# Altium PCB Acquisition-System_V1.0.PcbDoc (part 1 of 5)
Units mil, origin at the board's own origin, x right, y up, seen from the top; angles counter-clockwise.
Board outline 4370.08 x 5629.92 mil, 4 copper layers (Top Layer, Mid-Layer 1, Mid-Layer 2, Bottom Layer), stack 62.135 mil thick; 241 components, 167 nets, 1010 pads, 677 vias.
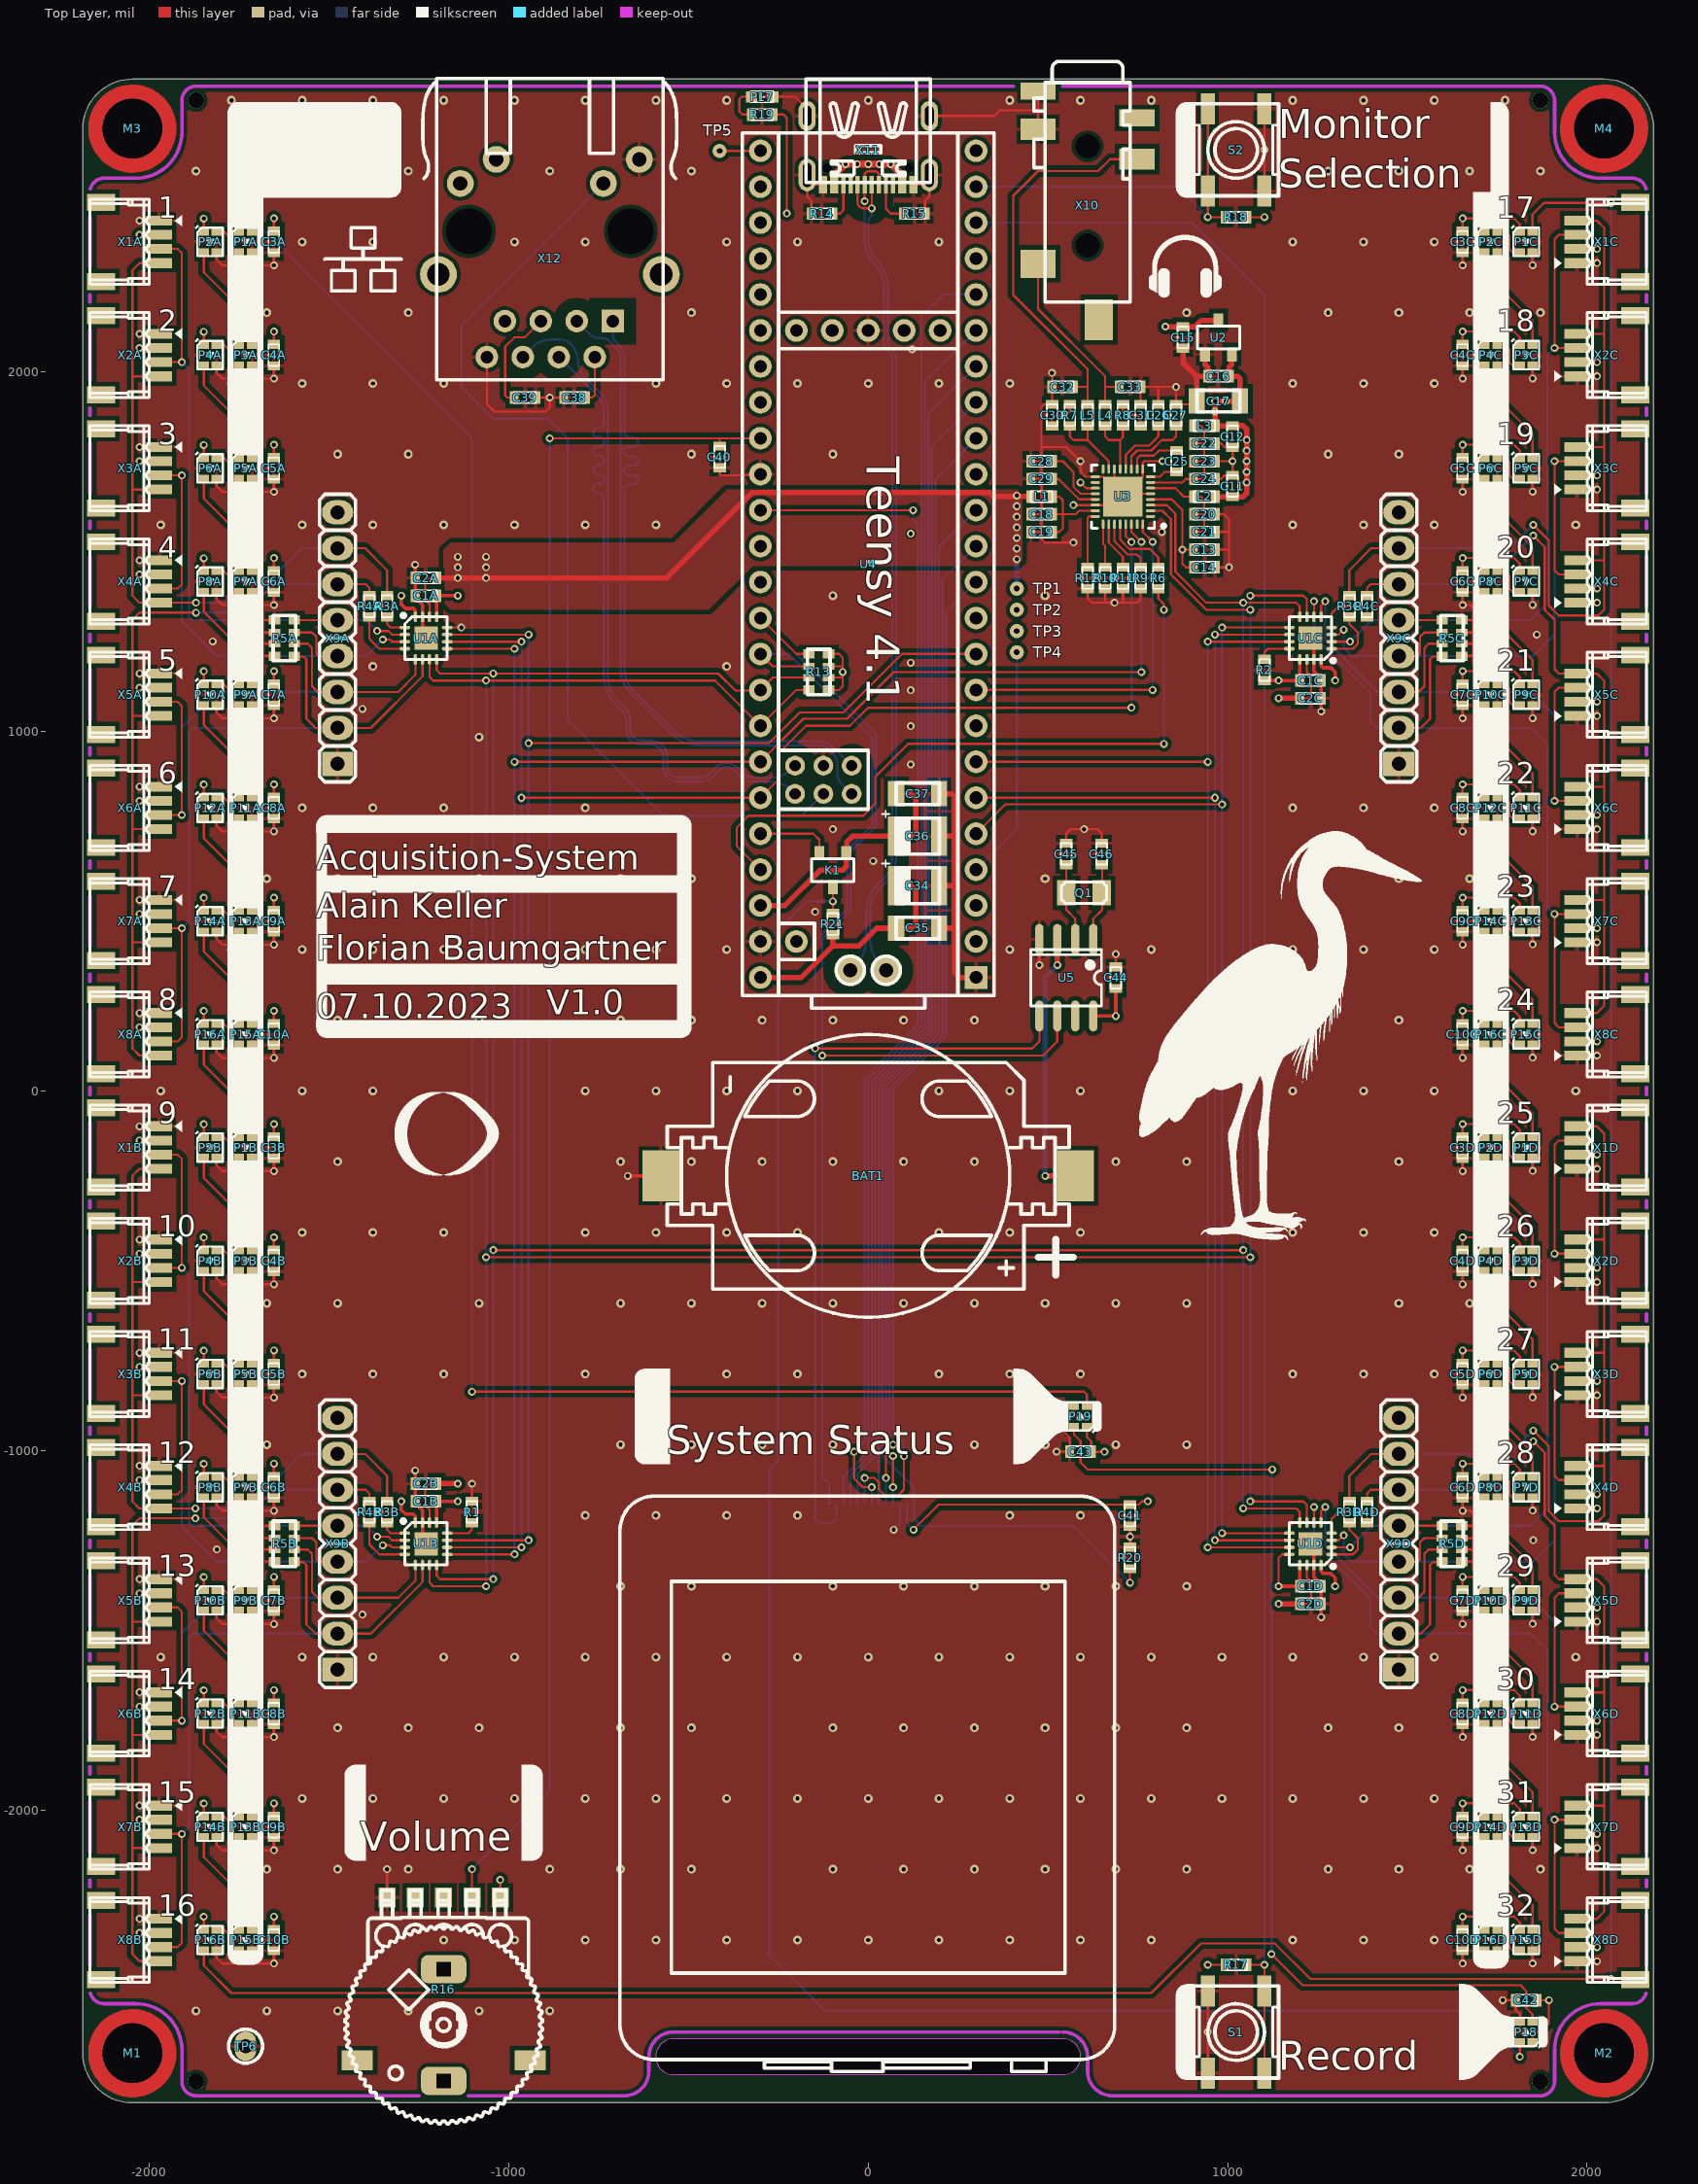
[diagram p0: Top Layer view]
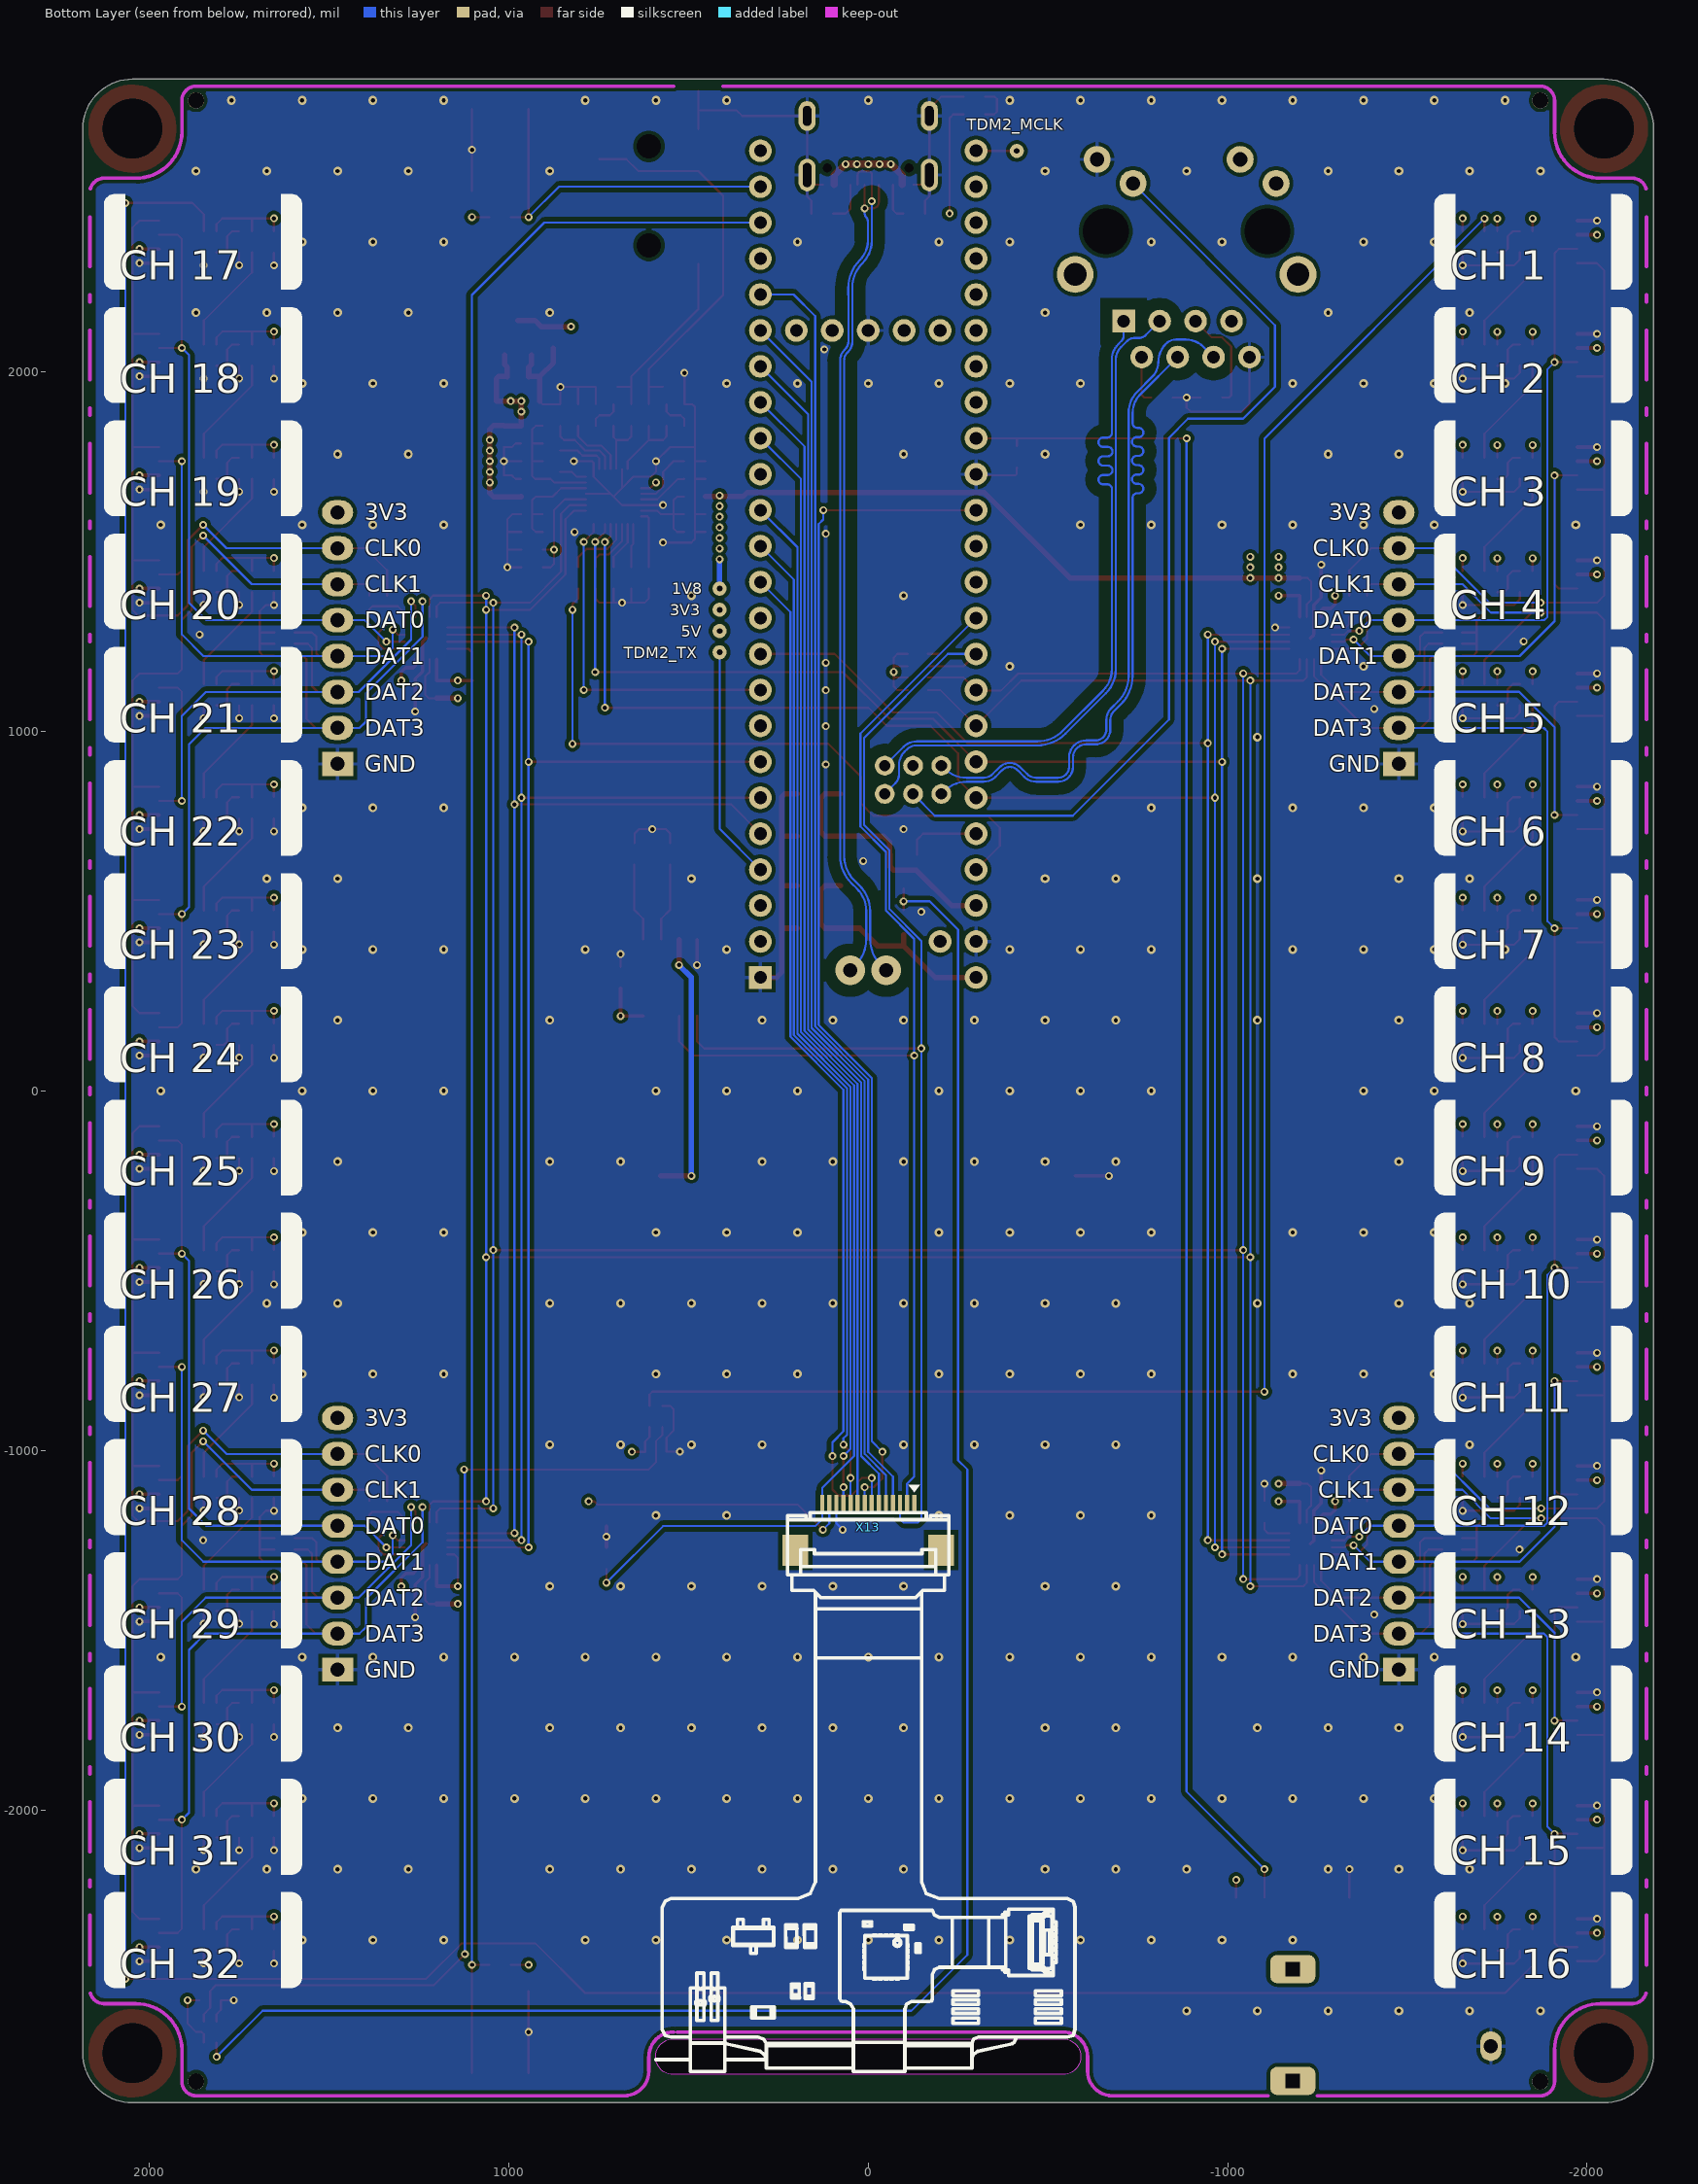
[diagram p1: Bottom Layer view, seen from below]
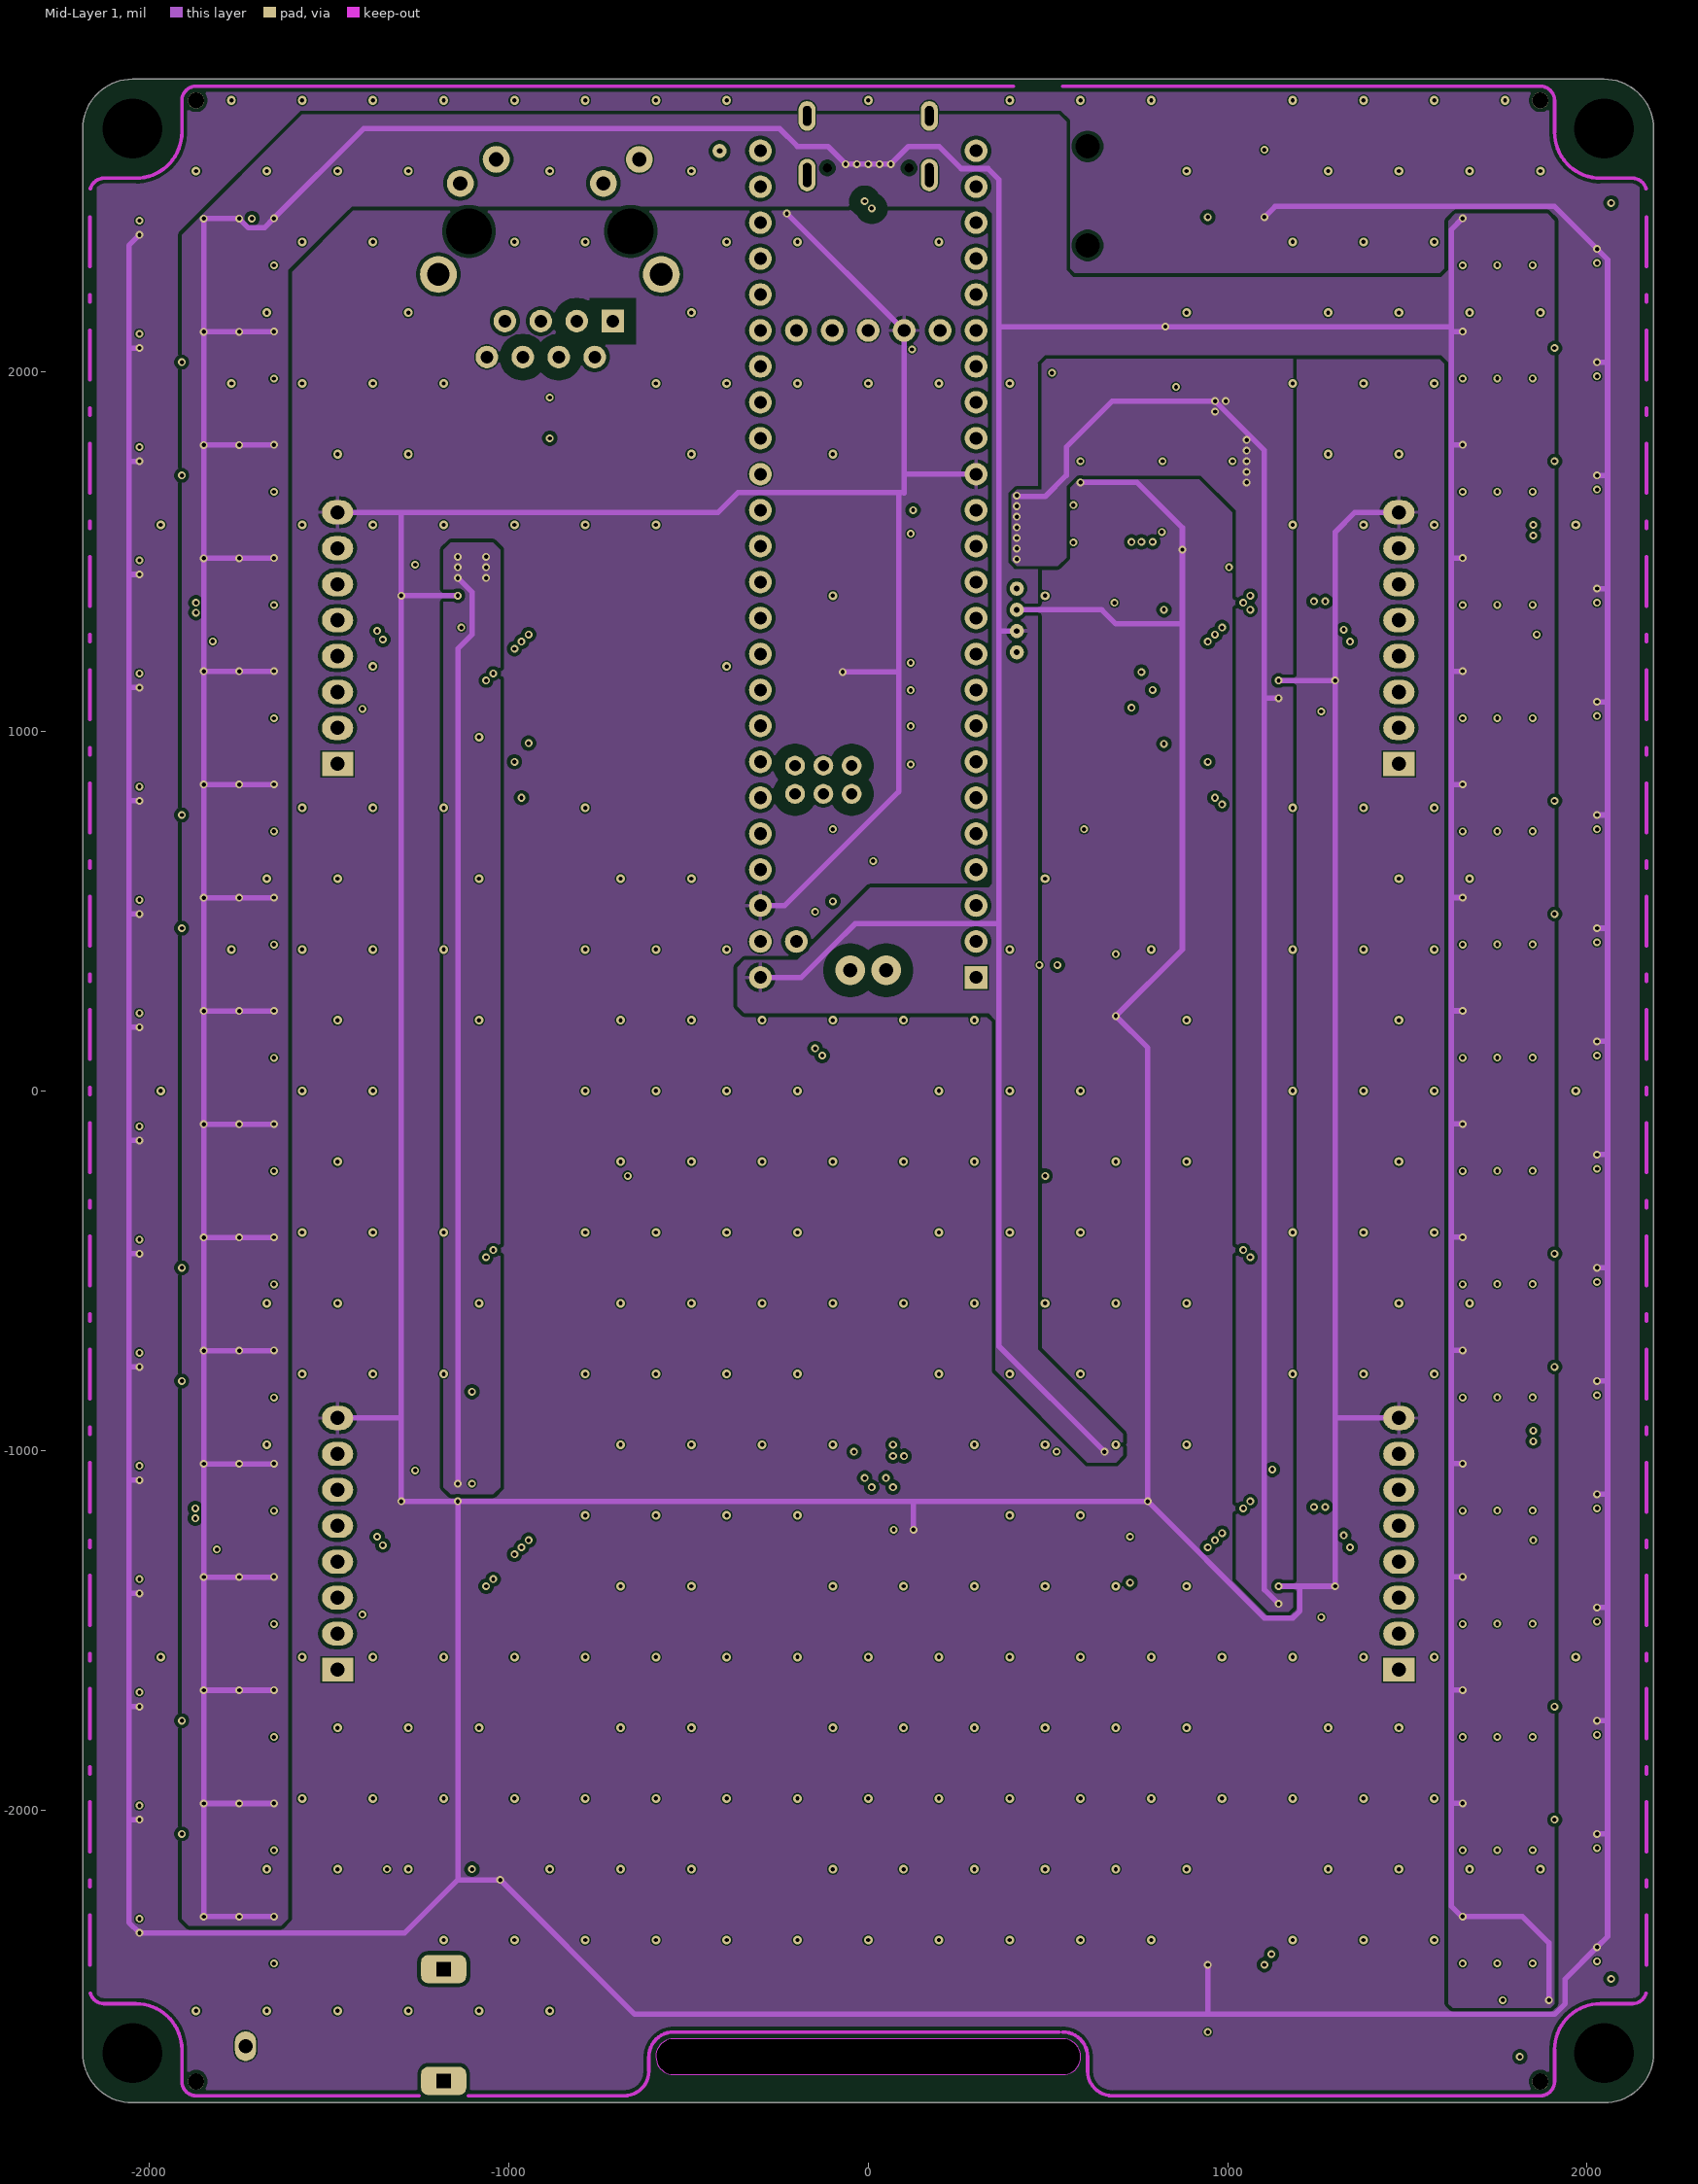
[diagram p2: Mid-Layer 1]
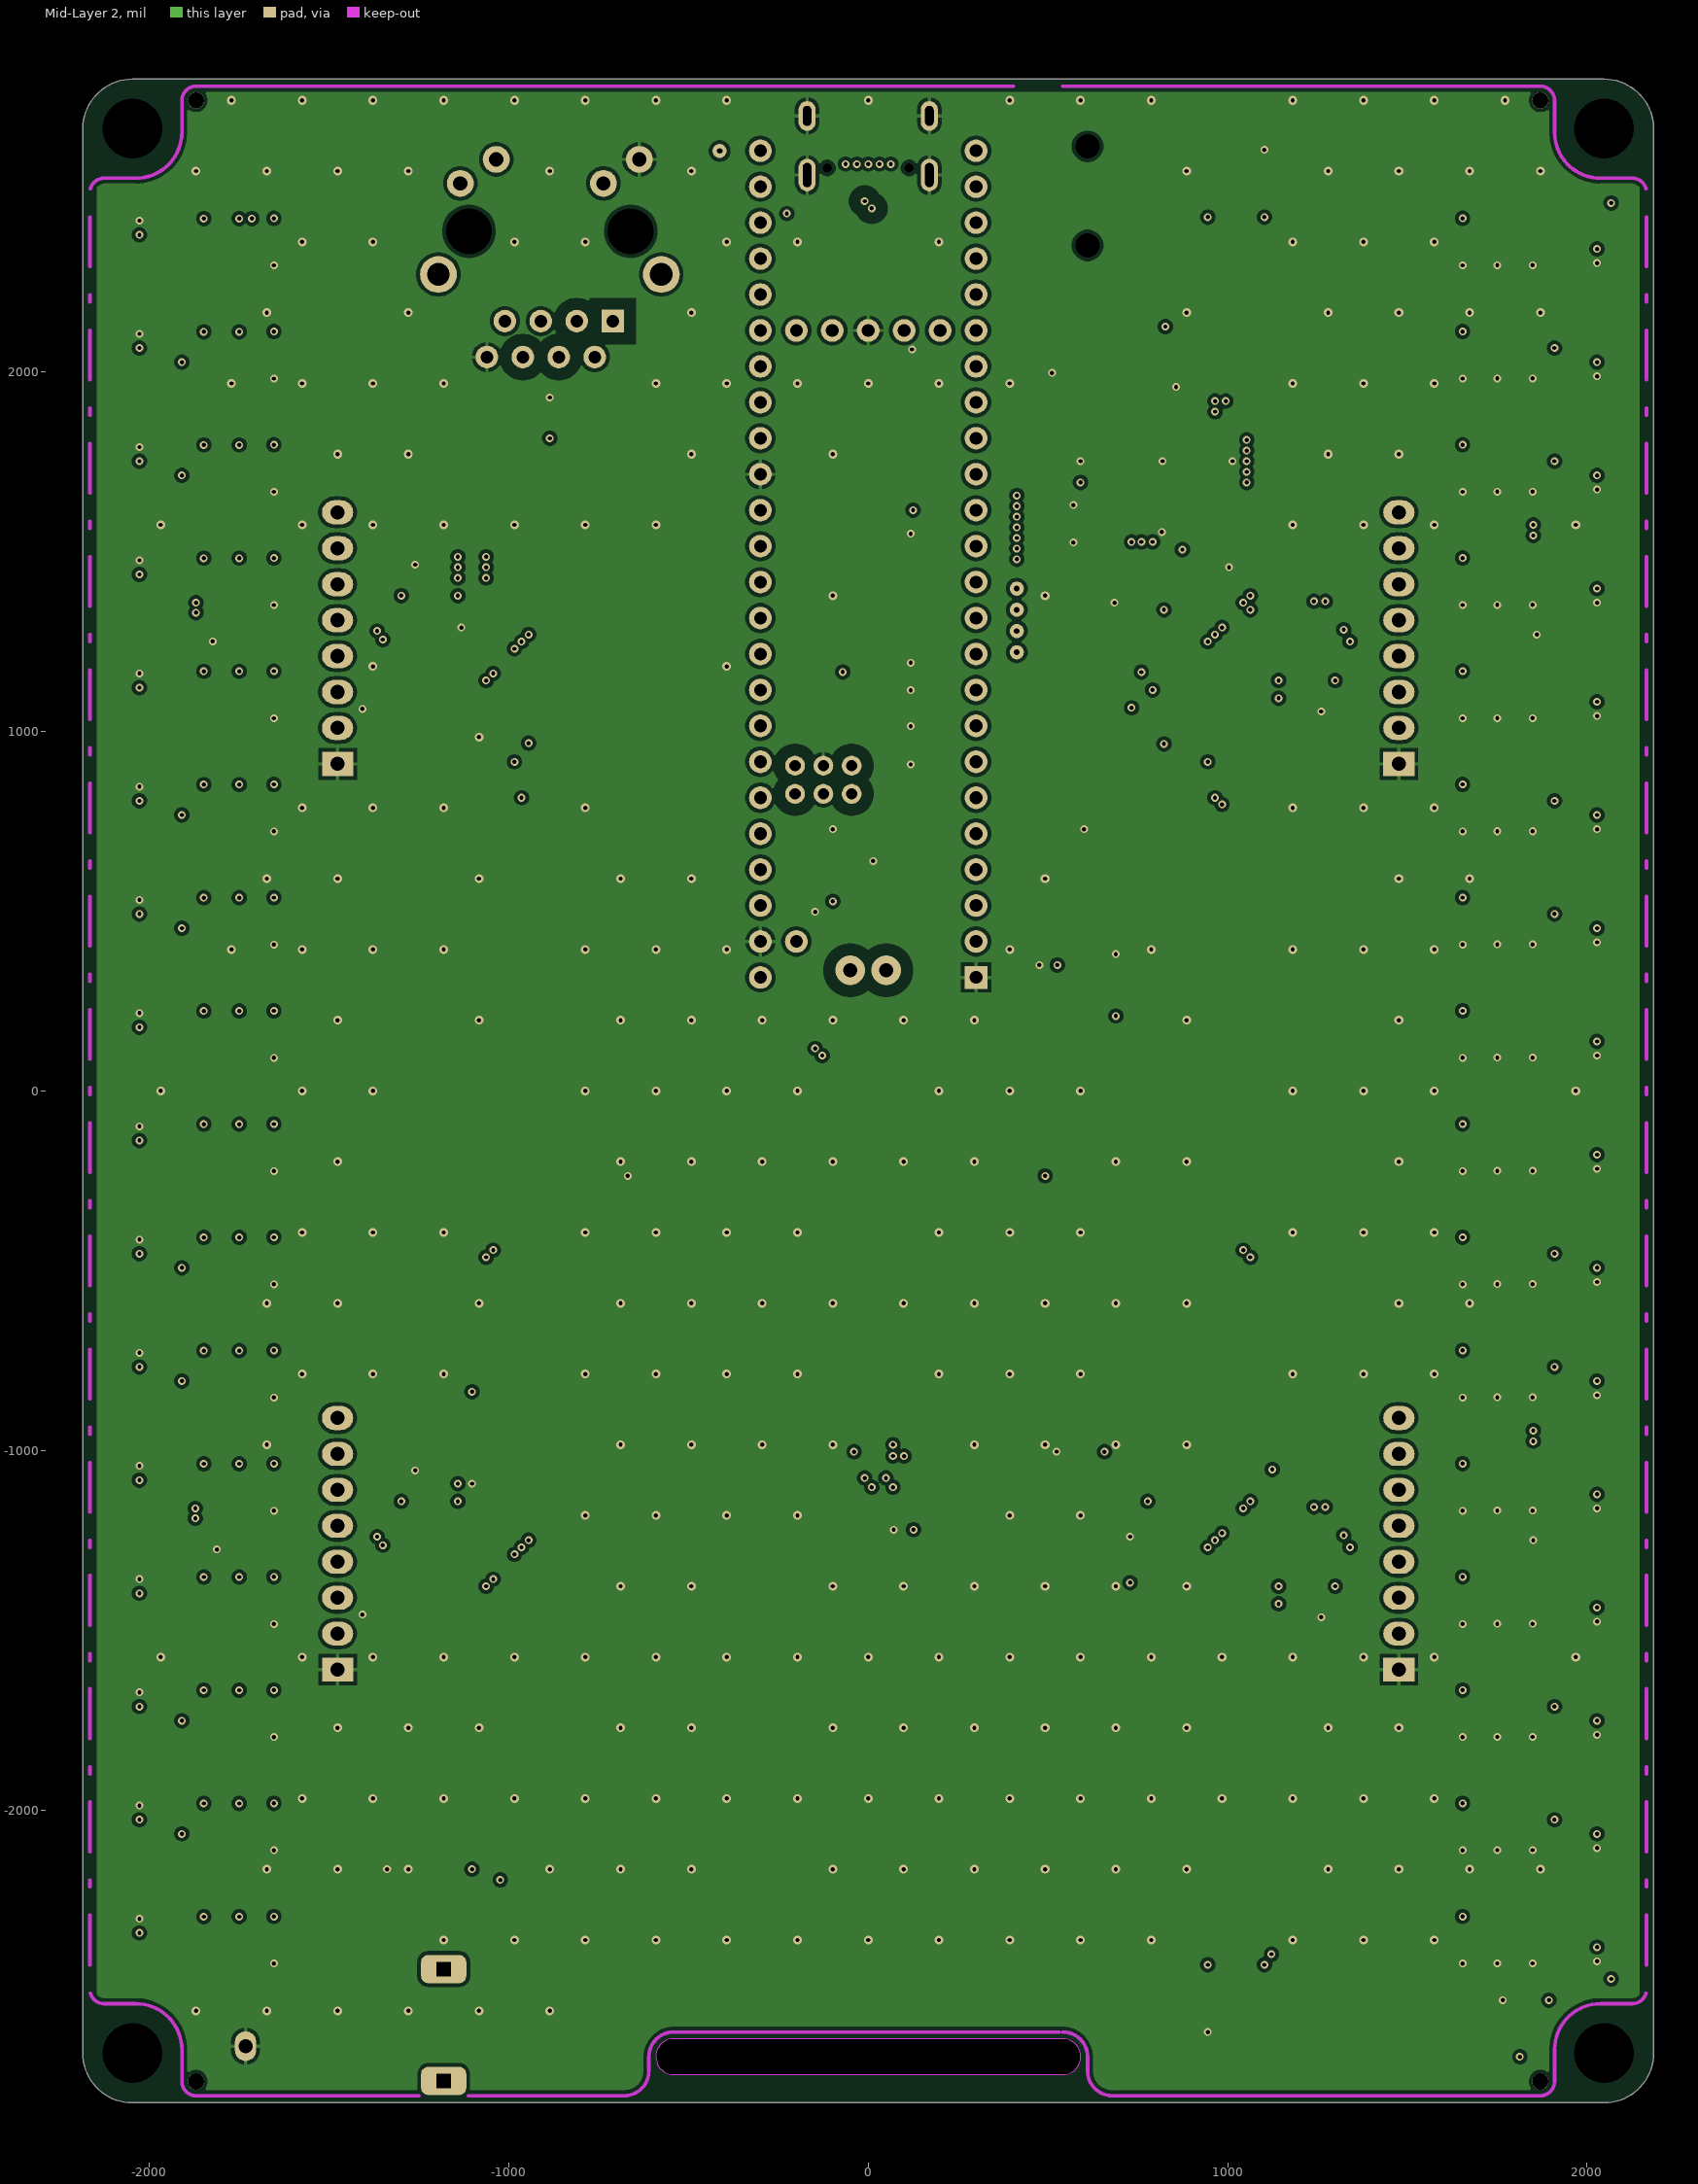
[diagram p3: Mid-Layer 2]

## Layer stack, top to bottom
Top Solder: solder mask 0.4, Solder Resist, Dk 3.5
Top Layer: signal copper 1.4
Dielectric1: dielectric 7.874, FR-4, Dk 4.8
Mid-Layer 1: signal copper 1.4
Dielectric2: dielectric 40.7874, FR-4, Dk 4.8
Mid-Layer 2: signal copper 1.4
Dielectric3: dielectric 7.874, FR-4, Dk 4.8
Bottom Layer: signal copper 1.4
Bottom Solder: solder mask 0.4, Solder Resist, Dk 3.5

## Board outline
-2185.04,-2677.17 ccw(c-2047.24,-2677.17) -2047.24,-2814.96 2047.24,-2814.96 ccw(c2047.24,-2677.17) 2185.04,-2677.17 2185.04,2677.17 ccw(c2047.24,2677.17) 2047.24,2814.96 -2047.24,2814.96 ccw(c-2047.24,2677.17) -2185.04,2677.17
